# Altium PCB touch-tara-h-3 (final).PcbDoc (part 2 of 8) (continued)
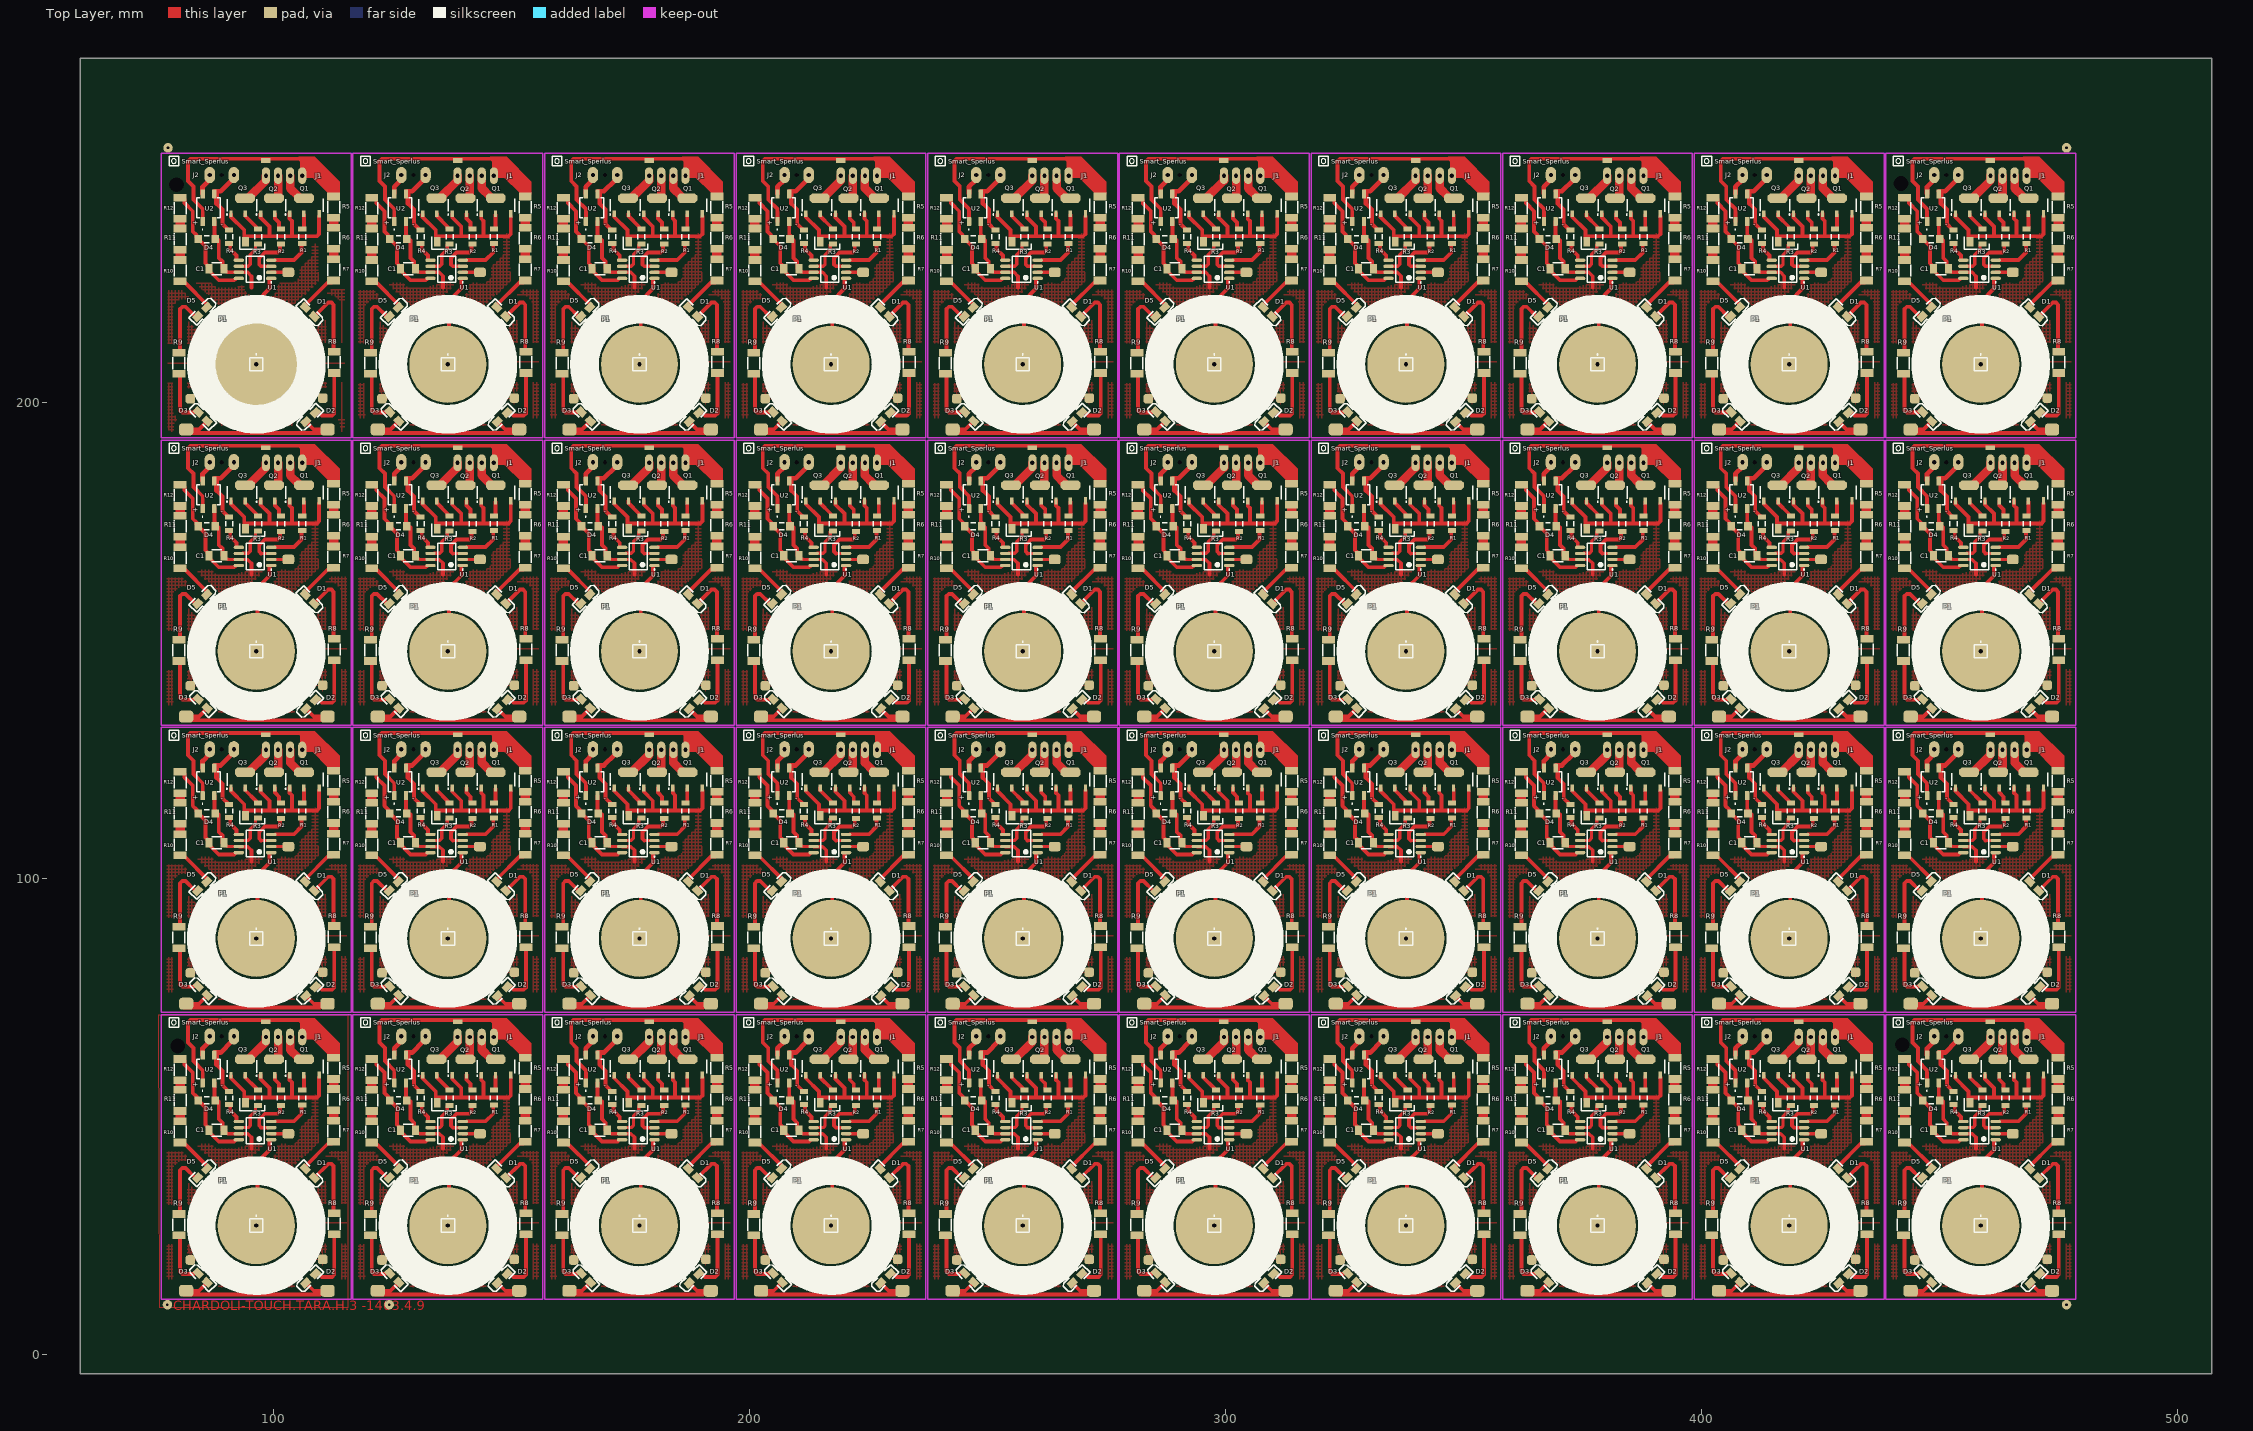
[diagram p0: Top Layer view]
## Footprints (in the part's own frame and the unit in brackets; to place one, negate y for a bottom-side part, rotate by r counter-clockwise, add the part's x,y. Pads: shape width x height; smd on the part's side, far side on the other; paste and mask are expansions set on the pad)
3.2X1.6X1.1#1 [mm] "SMT LED; 2 Flat Leads"
  rect 2x1.5 smd: 1(-1.347,0.09) 2(1.347,0.09)
  silkscreen extent -2.9,-1.15 3.2,1.15
3.2X1.6X1.1#2 [mm] "SMT LED; 2 Flat Leads"
  rect 2x1.5 smd: 1(-1.437,0.18) 2(1.347,0.09)
  silkscreen extent -2.9,-1.15 3.2,1.15
3.2X1.6X1.1#3 [mm] "SMT LED; 2 Flat Leads"
  rect 2x1.5 smd: 1(-1.257,0) 2(1.437,0)
  silkscreen extent -2.9,-1.15 3.2,1.15
3.2X1.6X1.1#4 [mm] "SMT LED; 2 Flat Leads"
  rect 2x1.5 smd: 1(-1.437,0) 2(1.257,0)
  silkscreen extent -2.9,-1.15 3.2,1.15
8S2_N [mm] "SOP, 8-Leads, Body 5.3x5.3mm, Pitch 1.27mm, IPC Medium Density"
  oval 2.2x0.7 smd: 1(-3.4,1.905) 2(-3.4,0.635) 3(-3.4,-0.635) 4(-3.4,-1.905) 5(3.4,-1.905) 6(3.4,-0.635) 7(3.4,0.635) 8(3.4,1.905)
  silkscreen extent -3.52,-2.75 1.9,2.88, body extent -2.73,-2.75 2.73,2.75, height 2.16
C1206 [mm] "Chip Capacitor, Body 3.2x1.6mm, IPC High Density"
  rect 1.5x2 smd: 1(-1.35,0) 2(1.83,0)
  silkscreen extent -0.89,-1.27 1.27,1.27, body extent -1.7,-0.9 1.7,0.9, height 1.3
"CAP 1206" [mm]
  rect 1.6x1.7 smd: 1(-1.778,0) 2(1.778,0)
  silkscreen extent -0.47,-0.75 0.53,0.75, body extent -1.49,-0.77 1.55,0.75, height 0.75
"HEADER 3X1" [mm]
  oval 2.2x3.4 hole 0.9: 1(0,0) 3(5.08,0)
  round 0.5 hole 0.9: 2(2.54,0)
  body extent -1.24,-1.27 6.38,1.27, height 8.38
"HEADER 4X1" [mm]
  oval 1.7x3.5 hole 0.9: 1(0,0) 2(2.54,0) 3(5.08,0) 4(7.62,0)
  body extent -1.19,-1.22 8.97,1.32, height 8.38
PIN1#1 [mm] "Connector; Plug"
  round 16.2 hole 0.9: 1(0,0)
  silkscreen extent -1.4,-1.4 1.4,2.17
PIN1#2 [mm] "Connector; Plug"
  round 21 hole 0.9: 1(0,0)
  silkscreen extent -1.4,-1.4 1.4,2.17
"RES 1206 (3216X08L)"#1 [mm] "Chip Resistor, 2-Leads, Body 3.2x1.6mm, IPC High Density _ (0.125 W)"
  rect 1.05x1.7 smd: 1(-1.44,0) 2(1.651,0)
  silkscreen extent -0.5,-0.75 0.5,0.75, body extent -1.52,-0.76 1.53,0.76, height 0.6
"RES 1206 (3216X08L)"#2 [mm] "Chip Resistor, 2-Leads, Body 3.2x1.6mm, IPC High Density _ (0.125 W)"
  rect 1.05x1.7 smd: 1(-1.567,0) 2(1.651,0)
  silkscreen extent -0.5,-0.75 0.5,0.75, body extent -1.52,-0.76 1.53,0.76, height 0.6
"RES 1206 (3216X08L)"#3 [mm] "Chip Resistor, 2-Leads, Body 3.2x1.6mm, IPC High Density _ (0.125 W)"
  rect 1.05x1.7 smd: 1(-1.524,0) 2(1.651,0)
  silkscreen extent -0.5,-0.75 0.5,0.75, body extent -1.52,-0.76 1.53,0.76, height 0.6
"RES 1206 (3216X08L)"#4 [mm] "Chip Resistor, 2-Leads, Body 3.2x1.6mm, IPC High Density _ (0.125 W)"
  rect 1.05x1.7 smd: 1(-1.397,0) 2(1.397,0)
  silkscreen extent -0.5,-0.75 0.5,0.75, body extent -1.52,-0.76 1.53,0.76, height 0.6
"RES 2010 (5026X08L)" [mm] "Chip Resistor, 2-Leads, Body 5.0x2.6mm, IPC High Density _ (0.250 W)"
  rect 1.6x2.7 smd: 1(-2.225,0) 2(2.225,0)
  silkscreen extent -1.25,-1.25 1.25,1.25, body extent -2.54,-1.27 2.54,1.27, height 0.6
SOIC245P670X270-4N [mm]
  rrect23% 1.91x0.91 smd: 1(-2.9,1.225) 2(-2.9,-1.225) 3(2.9,-1.225) 4(2.9,1.225)
  silkscreen extent -4.68,-2.48 2.1,2.48
SOT89N#1 [mm] "SOT89, 3-Leads, Body 4.5x2.4 mm, Pitch 1.5mm, Lead Span 4.1mm, IPC Medium Density"
  rect 1.4x0.7 smd: 1(-1.8,1.5) 3(-1.8,-1.5)
  oct 2x4.2 smd: 2(1.502,-1.548)
  silkscreen extent -2.07,-5.59 1.4,2.47, body extent -1.3,-2.3 1.3,2.3, height 1.6
SOT89N#2 [mm] "SOT89, 3-Leads, Body 4.5x2.4 mm, Pitch 1.5mm, Lead Span 4.1mm, IPC Medium Density"
  rect 1.4x0.7 smd: 1(-1.8,1.5) 3(-1.8,-1.5)
  oct 2x4.2 smd: 2(1.524,-1.27)
  silkscreen extent -2.07,2.22 1.3,2.47, body extent -1.3,-2.3 1.3,2.3, height 1.6
SOT89N#3 [mm] "SOT89, 3-Leads, Body 4.5x2.4 mm, Pitch 1.5mm, Lead Span 4.1mm, IPC Medium Density"
  rect 1.4x0.7 smd: 1(-1.8,1.5) 3(-1.8,-1.5)
  oct 2x4.2 smd: 2(1.524,-1.397)
  silkscreen extent -2.07,2.22 1.3,2.47, body extent -1.3,-2.3 1.3,2.3, height 1.6

## Part data
C1 C1 C1 C1 C1 C1 C1 C1 C1 C1 C1 C1 C1 C1 C1 C1 C1 C1 C1 C1 C1 C1 C1 C1 C1 C1 C1 C1 C1 C1 C1 C1 C1 C1 C1 C1 C1 C1 C1 C1: library part Capacitor, "Capacitor"
D1 D1 D1 D1 D1 D1 D1 D1 D1 D1 D1 D1 D1 D1 D1 D1 D1 D1 D1 D1 D1 D1 D1 D1 D1 D1 D1 D1 D1 D1 D1 D1 D1 D1 D1 D1 D1 D1 D1 D1 D2 D2 D2 D2 D2 D2 D2 D2 D2 D2 D2 D2 D2 D2 D2 D2 D2 D2 D2 D2 D2 D2 D2 D2 D2 D2 D2 D2 D2 D2 D2 D2 D2 D2 D2 D2 D2 D2 D2 D2 D3 D3 D3 D3 D3 D3 D3 D3 D3 D3 D3 D3 D3 D3 D3 D3 D3 D3 D3 D3 D3 D3 D3 D3 D3 D3 D3 D3 D3 D3 D3 D3 D3 D3 D3 D3 D3 D3 D3 D3 D5 D5 D5 D5 D5 D5 D5 D5 D5 D5 D5 D5 D5 D5 D5 D5 D5 D5 D5 D5 D5 D5 D5 D5 D5 D5 D5 D5 D5 D5 D5 D5 D5 D5 D5 D5 D5 D5 D5 D5: "Typical RED, GREEN, YELLOW, AMBER GaAs LED"
D4 D4 D4 D4 D4 D4 D4 D4 D4 D4 D4 D4 D4 D4 D4 D4 D4 D4 D4 D4 D4 D4 D4 D4 D4 D4 D4 D4 D4 D4 D4 D4 D4 D4 D4 D4 D4 D4 D4 D4: "Default Diode"
Q1 Q1 Q1 Q1 Q1 Q1 Q1 Q1 Q1 Q1 Q1 Q1 Q1 Q1 Q1 Q1 Q1 Q1 Q1 Q1 Q1 Q1 Q1 Q1 Q1 Q1 Q1 Q1 Q1 Q1 Q1 Q1 Q1 Q1 Q1 Q1 Q1 Q1 Q1 Q1 Q2 Q2 Q2 Q2 Q2 Q2 Q2 Q2 Q2 Q2 Q2 Q2 Q2 Q2 Q2 Q2 Q2 Q2 Q2 Q2 Q2 Q2 Q2 Q2 Q2 Q2 Q2 Q2 Q2 Q2 Q2 Q2 Q2 Q2 Q2 Q2 Q2 Q2 Q2 Q2 Q3 Q3 Q3 Q3 Q3 Q3 Q3 Q3 Q3 Q3 Q3 Q3 Q3 Q3 Q3 Q3 Q3 Q3 Q3 Q3 Q3 Q3 Q3 Q3 Q3 Q3 Q3 Q3 Q3 Q3 Q3 Q3 Q3 Q3 Q3 Q3 Q3 Q3 Q3 Q3: "Silicon Bidirectional Triode Thyristor"
R1 R1 R1 R1 R1 R1 R1 R1 R1 R1 R1 R1 R1 R1 R1 R1 R1 R1 R1 R1 R1 R1 R1 R1 R1 R1 R1 R1 R1 R1 R1 R1 R1 R1 R1 R1 R1 R1 R1 R1 R2 R2 R2 R2 R2 R2 R2 R2 R2 R2 R2 R2 R2 R2 R2 R2 R2 R2 R2 R2 R2 R2 R2 R2 R2 R2 R2 R2 R2 R2 R2 R2 R2 R2 R2 R2 R2 R2 R2 R2 R3 R3 R3 R3 R3 R3 R3 R3 R3 R3 R3 R3 R3 R3 R3 R3 R3 R3 R3 R3 R3 R3 R3 R3 R3 R3 R3 R3 R3 R3 R3 R3 R3 R3 R3 R3 R3 R3 R3 R3 R4 R4 R4 R4 R4 R4 R4 R4 R4 R4 R4 R4 R4 R4 R4 R4 R4 R4 R4 R4 R4 R4 R4 R4 R4 R4 R4 R4 R4 R4 R4 R4 R4 R4 R4 R4 R4 R4 R4 R4 R5 R5 R5 R5 R5 R5 R5 R5 R5 R5 R5 R5 R5 R5 R5 R5 R5 R5 R5 R5 R5 R5 R5 R5 R5 R5 R5 R5 R5 R5 R5 R5 R5 R5 R5 R5 R5 R5 R5 R5 R6 R6 R6 R6 R6 R6 R6 R6 R6 R6 R6 R6 R6 R6 R6 R6 R6 R6 R6 R6 R6 R6 R6 R6 R6 R6 R6 R6 R6 R6 R6 R6 R6 R6 R6 R6 R6 R6 R6 R6 R7 R7 R7 R7 R7 R7 R7 R7 R7 R7 R7 R7 R7 R7 R7 R7 R7 R7 R7 R7 R7 R7 R7 R7 R7 R7 R7 R7 R7 R7 R7 R7 R7 R7 R7 R7 R7 R7 R7 R7 R8 R8 R8 R8 R8 R8 R8 R8 R8 R8 R8 R8 R8 R8 R8 R8 R8 R8 R8 R8 R8 R8 R8 R8 R8 R8 R8 R8 R8 R8 R8 R8 R8 R8 R8 R8 R8 R8 R8 R8 R9 R9 R9 R9 R9 R9 R9 R9 R9 R9 R9 R9 R9 R9 R9 R9 R9 R9 R9 R9 R9 R9 R9 R9 R9 R9 R9 R9 R9 R9 R9 R9 R9 R9 R9 R9 R9 R9 R9 R9 R10 R10 R10 R10 R10 R10 R10 R10 R10 R10 R10 R10 R10 R10 R10 R10 R10 R10 R10 R10 R10 R10 R10 R10 R10 R10 R10 R10 R10 R10 R10 R10 R10 R10 R10 R10 R10 R10 R10 R10 R11 R11 R11 R11 R11 R11 R11 R11 R11 R11 R11 R11 R11 R11 R11 R11 R11 R11 R11 R11 R11 R11 R11 R11 R11 R11 R11 R11 R11 R11 R11 R11 R11 R11 R11 R11 R11 R11 R11 R11 R12 R12 R12 R12 R12 R12 R12 R12 R12 R12 R12 R12 R12 R12 R12 R12 R12 R12 R12 R12 R12 R12 R12 R12 R12 R12 R12 R12 R12 R12 R12 R12 R12 R12 R12 R12 R12 R12 R12 R12: library part Resistor, "Resistor"
U1 U1 U1 U1 U1 U1 U1 U1 U1 U1 U1 U1 U1 U1 U1 U1 U1 U1 U1 U1 U1 U1 U1 U1 U1 U1 U1 U1 U1 U1 U1 U1 U1 U1 U1 U1 U1 U1 U1 U1: "8-Bit AVR Microcontroller with 1K Byte of Flash Memory"
U2 U2 U2 U2 U2 U2 U2 U2 U2 U2 U2 U2 U2 U2 U2 U2 U2 U2 U2 U2 U2 U2 U2 U2 U2 U2 U2 U2 U2 U2 U2 U2 U2 U2 U2 U2 U2 U2 U2 U2: "Bridge Rectifier Single Phase Standard 600V Surface Mount 4-SOIC"

## Free pads (board coordinates)
  round 2 hole 0.55: 0(77.724,10.414) 1(124.333,10.414) 2(77.851,253.492) 3(476.758,253.492) 4(476.758,10.414)
  round 2.7 hole 3.1: 0(79.629,245.745) 0(79.883,64.77) 0(441.96,245.999) 0(442.214,65.024)
  round 0.5 on Bottom Paste: 0(86.614,66.802) 0(86.614,127.127) 0(86.614,187.452) 0(86.614,247.777) 0(126.873,66.802) 0(126.873,127.127) 0(126.873,187.452) 0(126.873,247.777) 0(167.132,66.802) 0(167.132,127.127) 0(167.132,187.452) 0(167.132,247.777) 0(207.391,66.802) 0(207.391,127.127) 0(207.391,187.452) 0(207.391,247.777) 0(247.65,66.802) 0(247.65,127.127) 0(247.65,187.452) 0(247.65,247.777) 0(287.909,66.802) 0(287.909,127.127) 0(287.909,187.452) 0(287.909,247.777) 0(328.168,66.802) 0(328.168,127.127) 0(328.168,187.452) 0(328.168,247.777) 0(368.427,66.802) 0(368.427,127.127) 0(368.427,187.452) 0(368.427,247.777) 0(408.686,66.802) 0(408.686,127.127) 0(408.686,187.452) 0(408.686,247.777) 0(448.945,66.802) 0(448.945,127.127) 0(448.945,187.452) 0(448.945,247.777) 1(91.694,66.802) 1(91.694,127.127) 1(91.694,187.452) 1(91.694,247.777) 1(131.953,66.802) 1(131.953,127.127) 1(131.953,187.452) 1(131.953,247.777) 1(172.212,66.802) 1(172.212,127.127) 1(172.212,187.452) 1(172.212,247.777) 1(212.471,66.802) 1(212.471,127.127) 1(212.471,187.452) 1(212.471,247.777) 1(252.73,66.802) 1(252.73,127.127) 1(252.73,187.452) 1(252.73,247.777) 1(292.989,66.802) 1(292.989,127.127) 1(292.989,187.452) 1(292.989,247.777) 1(333.248,66.802) 1(333.248,127.127) 1(333.248,187.452) 1(333.248,247.777) 1(373.507,66.802) 1(373.507,127.127) 1(373.507,187.452) 1(373.507,247.777) 1(413.766,66.802) 1(413.766,127.127) 1(413.766,187.452) 1(413.766,247.777) 1(454.025,66.802) 1(454.025,127.127) 1(454.025,187.452) 1(454.025,247.777) 2(89.154,66.802) 2(89.154,127.127) 2(89.154,187.452) 2(89.154,247.777) 2(129.413,66.802) 2(129.413,127.127) 2(129.413,187.452) 2(129.413,247.777) 2(169.672,66.802) 2(169.672,127.127) 2(169.672,187.452) 2(169.672,247.777) 2(209.931,66.802) 2(209.931,127.127) 2(209.931,187.452) 2(209.931,247.777) 2(250.19,66.802) 2(250.19,127.127) 2(250.19,187.452) 2(250.19,247.777) 2(290.449,66.802) 2(290.449,127.127) 2(290.449,187.452) 2(290.449,247.777) 2(330.708,66.802) 2(330.708,127.127) 2(330.708,187.452) 2(330.708,247.777) 2(370.967,66.802) 2(370.967,127.127) 2(370.967,187.452) 2(370.967,247.777) 2(411.226,66.802) 2(411.226,127.127) 2(411.226,187.452) 2(411.226,247.777) 2(451.485,66.802) 2(451.485,127.127) 2(451.485,187.452) 2(451.485,247.777) 3(98.425,66.675) 3(98.425,127) 3(98.425,187.325) 3(98.425,247.65) 3(138.684,66.675) 3(138.684,127) 3(138.684,187.325) 3(138.684,247.65) 3(178.943,66.675) 3(178.943,127) 3(178.943,187.325) 3(178.943,247.65) 3(219.202,66.675) 3(219.202,127) 3(219.202,187.325) 3(219.202,247.65) 3(259.461,66.675) 3(259.461,127) 3(259.461,187.325) 3(259.461,247.65) 3(299.72,66.675) 3(299.72,127) 3(299.72,187.325) 3(299.72,247.65) 3(339.979,66.675) 3(339.979,127) 3(339.979,187.325) 3(339.979,247.65) 3(380.238,66.675) 3(380.238,127) 3(380.238,187.325) 3(380.238,247.65) 3(420.497,66.675) 3(420.497,127) 3(420.497,187.325) 3(420.497,247.65) 3(460.756,66.675) 3(460.756,127) 3(460.756,187.325) 3(460.756,247.65) 4(100.965,66.675) 4(100.965,127) 4(100.965,187.325) 4(100.965,247.65) 4(141.224,66.675) 4(141.224,127) 4(141.224,187.325) 4(141.224,247.65) 4(181.483,66.675) 4(181.483,127) 4(181.483,187.325) 4(181.483,247.65) 4(221.742,66.675) 4(221.742,127) 4(221.742,187.325) 4(221.742,247.65) 4(262.001,66.675) 4(262.001,127) 4(262.001,187.325) 4(262.001,247.65) 4(302.26,66.675) 4(302.26,127) 4(302.26,187.325) 4(302.26,247.65) 4(342.519,66.675) 4(342.519,127) 4(342.519,187.325) 4(342.519,247.65) 4(382.778,66.675) 4(382.778,127) 4(382.778,187.325) 4(382.778,247.65) 4(423.037,66.675) 4(423.037,127) 4(423.037,187.325) 4(423.037,247.65) 4(463.296,66.675) 4(463.296,127) 4(463.296,187.325) 4(463.296,247.65) 5(103.505,66.675) 5(103.505,127) 5(103.505,187.325) 5(103.505,247.65) 5(143.764,66.675) 5(143.764,127) 5(143.764,187.325) 5(143.764,247.65) 5(184.023,66.675) 5(184.023,127) 5(184.023,187.325) 5(184.023,247.65) 5(224.282,66.675) 5(224.282,127) 5(224.282,187.325) 5(224.282,247.65) 5(264.541,66.675) 5(264.541,127) 5(264.541,187.325) 5(264.541,247.65) 5(304.8,66.675) 5(304.8,127) 5(304.8,187.325) 5(304.8,247.65) 5(345.059,66.675) 5(345.059,127) 5(345.059,187.325) 5(345.059,247.65) 5(385.318,66.675) 5(385.318,127) 5(385.318,187.325) 5(385.318,247.65) 5(425.577,66.675) 5(425.577,127) 5(425.577,187.325) 5(425.577,247.65) 5(465.836,66.675) 5(465.836,127) 5(465.836,187.325) 5(465.836,247.65) 6(106.045,66.675) 6(106.045,127) 6(106.045,187.325) 6(106.045,247.65) 6(146.304,66.675) 6(146.304,127) 6(146.304,187.325) 6(146.304,247.65) 6(186.563,66.675) 6(186.563,127) 6(186.563,187.325) 6(186.563,247.65) 6(226.822,66.675) 6(226.822,127) 6(226.822,187.325) 6(226.822,247.65) 6(267.081,66.675) 6(267.081,127) 6(267.081,187.325) 6(267.081,247.65) 6(307.34,66.675) 6(307.34,127) 6(307.34,187.325) 6(307.34,247.65) 6(347.599,66.675) 6(347.599,127) 6(347.599,187.325) 6(347.599,247.65) 6(387.858,66.675) 6(387.858,127) 6(387.858,187.325) 6(387.858,247.65) 6(428.117,66.675) 6(428.117,127) 6(428.117,187.325) 6(428.117,247.65) 6(468.376,66.675) 6(468.376,127) 6(468.376,187.325) 6(468.376,247.65) 7(96.393,27.051) 7(96.393,87.376) 7(96.393,147.701) 7(96.393,208.026) 7(136.652,27.051) 7(136.652,87.376) 7(136.652,147.701) 7(136.652,208.026) 7(176.911,27.051) 7(176.911,87.376) 7(176.911,147.701) 7(176.911,208.026) 7(217.17,27.051) 7(217.17,87.376) 7(217.17,147.701) 7(217.17,208.026) 7(257.429,27.051) 7(257.429,87.376) 7(257.429,147.701) 7(257.429,208.026) 7(297.688,27.051) 7(297.688,87.376) 7(297.688,147.701) 7(297.688,208.026) 7(337.947,27.051) 7(337.947,87.376) 7(337.947,147.701) 7(337.947,208.026) 7(378.206,27.051) 7(378.206,87.376) 7(378.206,147.701) 7(378.206,208.026) 7(418.465,27.051) 7(418.465,87.376) 7(418.465,147.701) 7(418.465,208.026) 7(458.724,27.051) 7(458.724,87.376) 7(458.724,147.701) 7(458.724,208.026)
  oval 0.5x0.55 on Bottom Paste: 5(476.758,10.414) 6(476.758,253.492) 7(77.851,253.492) 8(77.724,10.414) 9(124.333,10.414)
  rect 1.4x2 all layers, no hole: 156(94.14,52.832) 156(94.14,113.157) 156(94.14,173.482) 156(94.14,233.807) 156(134.399,52.832) 156(134.399,113.157) 156(134.399,173.482) 156(134.399,233.807) 156(174.658,52.832) 156(174.658,113.157) 156(174.658,173.482) 156(174.658,233.807) 156(214.917,52.832) 156(214.917,113.157) 156(214.917,173.482) 156(214.917,233.807) 156(255.176,52.832) 156(255.176,113.157) 156(255.176,173.482) 156(255.176,233.807) 156(295.435,52.832) 156(295.435,113.157) 156(295.435,173.482) 156(295.435,233.807) 156(335.694,52.832) 156(335.694,113.157) 156(335.694,173.482) 156(335.694,233.807) 156(375.953,52.832) 156(375.953,113.157) 156(375.953,173.482) 156(375.953,233.807) 156(416.212,52.832) 156(416.212,113.157) 156(416.212,173.482) 156(416.212,233.807) 156(456.471,52.832) 156(456.471,113.157) 156(456.471,173.482) 156(456.471,233.807)
  rrect50% 2.5x2 all layers, no hole: 157(103.124,46.355) 157(103.124,106.68) 157(103.124,167.005) 157(103.124,227.33) 157(143.383,46.355) 157(143.383,106.68) 157(143.383,167.005) 157(143.383,227.33) 157(183.642,46.355) 157(183.642,106.68) 157(183.642,167.005) 157(183.642,227.33) 157(223.901,46.355) 157(223.901,106.68) 157(223.901,167.005) 157(223.901,227.33) 157(264.16,46.355) 157(264.16,106.68) 157(264.16,167.005) 157(264.16,227.33) 157(304.419,46.355) 157(304.419,106.68) 157(304.419,167.005) 157(304.419,227.33) 157(344.678,46.355) 157(344.678,106.68) 157(344.678,167.005) 157(344.678,227.33) 157(384.937,46.355) 157(384.937,106.68) 157(384.937,167.005) 157(384.937,227.33) 157(425.196,46.355) 157(425.196,106.68) 157(425.196,167.005) 157(425.196,227.33) 157(465.455,46.355) 157(465.455,106.68) 157(465.455,167.005) 157(465.455,227.33)
  rrect50% 3x2.5 all layers, no hole: 158(81.668,13.342) 158(81.668,73.667) 158(81.668,133.992) 158(81.668,194.317) 158(121.927,13.342) 158(121.927,73.667) 158(121.927,133.992) 158(121.927,194.317) 158(162.186,13.342) 158(162.186,73.667) 158(162.186,133.992) 158(162.186,194.317) 158(202.445,13.342) 158(202.445,73.667) 158(202.445,133.992) 158(202.445,194.317) 158(242.704,13.342) 158(242.704,73.667) 158(242.704,133.992) 158(242.704,194.317) 158(282.963,13.342) 158(282.963,73.667) 158(282.963,133.992) 158(282.963,194.317) 158(323.222,13.342) 158(323.222,73.667) 158(323.222,133.992) 158(323.222,194.317) 158(363.481,13.342) 158(363.481,73.667) 158(363.481,133.992) 158(363.481,194.317) 158(403.74,13.342) 158(403.74,73.667) 158(403.74,133.992) 158(403.74,194.317) 158(443.999,13.342) 158(443.999,73.667) 158(443.999,133.992) 158(443.999,194.317) 159(111.379,13.335) 159(111.379,73.66) 159(111.379,133.985) 159(111.379,194.31) 159(151.638,13.335) 159(151.638,73.66) 159(151.638,133.985) 159(151.638,194.31) 159(191.897,13.335) 159(191.897,73.66) 159(191.897,133.985) 159(191.897,194.31) 159(232.156,13.335) 159(232.156,73.66) 159(232.156,133.985) 159(232.156,194.31) 159(272.415,13.335) 159(272.415,73.66) 159(272.415,133.985) 159(272.415,194.31) 159(312.674,13.335) 159(312.674,73.66) 159(312.674,133.985) 159(312.674,194.31) 159(352.933,13.335) 159(352.933,73.66) 159(352.933,133.985) 159(352.933,194.31) 159(393.192,13.335) 159(393.192,73.66) 159(393.192,133.985) 159(393.192,194.31) 159(433.451,13.335) 159(433.451,73.66) 159(433.451,133.985) 159(433.451,194.31) 159(473.71,13.335) 159(473.71,73.66) 159(473.71,133.985) 159(473.71,194.31)
  rect 2x1 all layers, no hole: 160(98.425,69.85) 160(98.425,130.175) 160(98.425,190.5) 160(98.425,250.825) 160(138.684,69.85) 160(138.684,130.175) 160(138.684,190.5) 160(138.684,250.825) 160(178.943,69.85) 160(178.943,130.175) 160(178.943,190.5) 160(178.943,250.825) 160(219.202,69.85) 160(219.202,130.175) 160(219.202,190.5) 160(219.202,250.825) 160(259.461,69.85) 160(259.461,130.175) 160(259.461,190.5) 160(259.461,250.825) 160(299.72,69.85) 160(299.72,130.175) 160(299.72,190.5) 160(299.72,250.825) 160(339.979,69.85) 160(339.979,130.175) 160(339.979,190.5) 160(339.979,250.825) 160(380.238,69.85) 160(380.238,130.175) 160(380.238,190.5) 160(380.238,250.825) 160(420.497,69.85) 160(420.497,130.175) 160(420.497,190.5) 160(420.497,250.825) 160(460.756,69.85) 160(460.756,130.175) 160(460.756,190.5) 160(460.756,250.825)
  rrect50% 2x2 all layers, no hole: 161(110.363,19.939) 161(110.363,80.264) 161(110.363,140.589) 161(110.363,200.914) 161(150.622,19.939) 161(150.622,80.264) 161(150.622,140.589) 161(150.622,200.914) 161(190.881,19.939) 161(190.881,80.264) 161(190.881,140.589) 161(190.881,200.914) 161(231.14,19.939) 161(231.14,80.264) 161(231.14,140.589) 161(231.14,200.914) 161(271.399,19.939) 161(271.399,80.264) 161(271.399,140.589) 161(271.399,200.914) 161(311.658,19.939) 161(311.658,80.264) 161(311.658,140.589) 161(311.658,200.914) 161(351.917,19.939) 161(351.917,80.264) 161(351.917,140.589) 161(351.917,200.914) 161(392.176,19.939) 161(392.176,80.264) 161(392.176,140.589) 161(392.176,200.914) 161(432.435,19.939) 161(432.435,80.264) 161(432.435,140.589) 161(432.435,200.914) 161(472.694,19.939) 161(472.694,80.264) 161(472.694,140.589) 161(472.694,200.914) 162(82.55,19.812) 162(82.55,80.137) 162(82.55,140.462) 162(82.55,200.787) 162(122.809,19.812) 162(122.809,80.137) 162(122.809,140.462) 162(122.809,200.787) 162(163.068,19.812) 162(163.068,80.137) 162(163.068,140.462) 162(163.068,200.787) 162(203.327,19.812) 162(203.327,80.137) 162(203.327,140.462) 162(203.327,200.787) 162(243.586,19.812) 162(243.586,80.137) 162(243.586,140.462) 162(243.586,200.787) 162(283.845,19.812) 162(283.845,80.137) 162(283.845,140.462) 162(283.845,200.787) 162(324.104,19.812) 162(324.104,80.137) 162(324.104,140.462) 162(324.104,200.787) 162(364.363,19.812) 162(364.363,80.137) 162(364.363,140.462) 162(364.363,200.787) 162(404.622,19.812) 162(404.622,80.137) 162(404.622,140.462) 162(404.622,200.787) 162(444.881,19.812) 162(444.881,80.137) 162(444.881,140.462) 162(444.881,200.787)
  rect 0.7x1.524 all layers, no hole: 163(109.601,58.674) 163(109.601,118.999) 163(109.601,179.324) 163(109.601,239.649) 163(149.86,58.674) 163(149.86,118.999) 163(149.86,179.324) 163(149.86,239.649) 163(190.119,58.674) 163(190.119,118.999) 163(190.119,179.324) 163(190.119,239.649) 163(230.378,58.674) 163(230.378,118.999) 163(230.378,179.324) 163(230.378,239.649) 163(270.637,58.674) 163(270.637,118.999) 163(270.637,179.324) 163(270.637,239.649) 163(310.896,58.674) 163(310.896,118.999) 163(310.896,179.324) 163(310.896,239.649) 163(351.155,58.674) 163(351.155,118.999) 163(351.155,179.324) 163(351.155,239.649) 163(391.414,58.674) 163(391.414,118.999) 163(391.414,179.324) 163(391.414,239.649) 163(431.673,58.674) 163(431.673,118.999) 163(431.673,179.324) 163(431.673,239.649) 163(471.932,58.674) 163(471.932,118.999) 163(471.932,179.324) 163(471.932,239.649)

## Nets (pads, with @x,y where several pads share a name; then routed paths per layer and width w, separated by ;. In a path a pad name is that pad's centre, name@x,y a point inside that pad or via, vN(x,y) a via of type N, cw(c..) or ccw(c..) an arc to the next point about the centre after c; other vN are vias at no path point)
GND: C1.2@87.757,53.34 D4.1@89.615,47.117 pad.156@94.14,52.832 pad.161@110.363,19.939 pad.162@82.55,19.812 pad.163@109.601,58.674 Q1.1@103.402,58.652 Q2.1@97.306,58.652 Q3.1@91.083,58.652 U1.7@92.739,46.355 U2.2@87.585,57.044 | length 56.8
  Top Layer w0.7: D4.1@89.615,47.117 89.615,46.867 90.015,46.467 90.313,46.467 90.425,46.355 U1.7@92.739,46.355 92.749,46.345 94.588,46.345 95.377,45.556
  Top Layer w0.8: U2.2@87.585,57.044 87.585,54.259 87.738,54.106 87.738,53.79 88.188,53.34 88.265,53.34 88.519,53.086 88.519,49.403 89.265,48.657 D4.1@89.265,47.117 ; Q3.1@91.083,58.525 91.083,58.015 93.853,55.245 93.853,53.933 ; pad.156@94.234,52.832 94.207,52.875 93.853,53.432 93.853,53.933 ; 95.377,43.18 95.377,45.556 ; Q2.1@97.306,58.652 97.306,57.865 99.187,55.984 99.187,53.933 ; Q1.1@103.402,58.779 103.402,57.634 103.886,57.15 103.886,53.933 ; pad.163@109.601,58.164 109.601,54.402 109.132,53.933 103.886,53.933 ; 93.853,53.933 99.187,53.933 ; 99.187,53.933 103.886,53.933
NetD1_1: D1.1@106.68,38.989 R7.2@112.649,44.638 | length 8.6
  Top Layer w0.8: D1.1@106.68,38.989 106.673,38.996 106.673,39.49 111.421,44.238 112.249,44.238 R7.2@112.649,44.638
NetD1_2: D1.2@108.585,37.084 R8.1@112.776,29.657 | length 15.7
  Top Layer w0.8: D1.2@108.585,37.084 111.518,40.017 112.18,40.017 112.649,39.548 R8.1@112.649,29.53 ; R8.1@112.776,29.53 R8.1@112.903,29.403
NetD2_1: D2.1@108.839,16.891 R8.2@112.776,25.207 | length 12.7
  Top Layer w0.8: D2.1@108.839,16.891 108.927,16.979 109.422,16.979 110.145,16.256 112.307,16.256 112.776,16.725 R8.2@112.776,24.953
NetD2_2: D2.2@106.807,14.986 D3.1@86.106,15.113 pad.158@81.668,13.342 pad.159@111.379,13.335 | length 41.9
  Top Layer w0.8: D3.1@86.106,15.113 84.335,13.342 pad.158@81.668,13.342 81.28,12.954 81.28,12.641 81.209,12.57 109.81,12.57 109.865,12.624 110.668,12.624 pad.159@111.379,13.335 108.458,13.335 D2.2@106.807,14.986
NetD3_2: D3.2@84.201,17.018 R9.1@80.137,25.019 | length 12
  Top Layer w0.8: R9.1@80.137,25.019 80.391,24.765 80.391,17.36 80.86,16.891 83.225,16.891 83.529,17.195 84.024,17.195 D3.2@84.201,17.018
NetD5_1: D5.1@84.074,37.084 R9.2@80.137,29.469 | length 13.8
  Top Layer w0.8: R9.2@80.391,29.578 80.391,38.659 80.86,39.128 81.522,39.128 83.573,37.077 84.067,37.077 D5.1@84.074,37.084
NetD5_2: D5.2@85.979,38.989 R10.1@80.391,44.511 | length 8.1
  Top Layer w0.8: R10.1@80.796,44.807 80.796,44.656 81.341,44.111 81.492,44.111 86.049,39.554 86.049,39.059 D5.2@85.979,38.989
NetJ1_2: J1.2@103.505,66.675 Q1.2@106.45,61.954 | length 6.6
  Top Layer w1.8: J1.2@103.505,66.675 103.505,64.008 105.25,62.263 105.25,62.054 105.35,61.954 Q1.2@106.45,61.954
NetJ1_3: J1.3@100.965,66.675 Q2.2@100.076,61.976 | length 4.6
  Top Layer w1.8: Q2.2@100.965,62.076 J1.3@100.965,66.675
NetJ1_4: J1.4@98.425,66.675 Q3.2@93.98,61.976 | length 6.4
  Top Layer w1.8: Q3.2@94.678,61.912 98.425,65.659 J1.4@98.425,66.675 ; Q3.2@94.733,62.01 Q3.2@94.799,62.076
NetJ2_1: J2.1@86.614,66.802 U2.4@85.135,62.844 | length 4.6
  Top Layer w0.8: U2.4@85.108,62.871 U2.4@85.135,62.844 ; J2.1@86.614,65.823 J2.1@86.614,66.802
  Top Layer w1: U2.4@85.108,62.871 85.108,64.317 J2.1@86.614,65.823
NetJ2_3: J2.3@91.694,66.802 R4.1@90.678,55.245 U2.3@87.585,62.844 | length 15.4
  Top Layer w0.8: U2.3@87.64,62.844 U2.3@87.64,63.399 ; 88.021,60.823 89.281,59.563 89.281,56.515 90.426,55.37 90.482,55.37 R4.1@90.482,55.314 ; J2.3@91.254,65.727 91.254,67.124 J2.3@91.454,67.324
  Top Layer w1: U2.3@87.64,63.399 88.926,63.399 J2.3@91.254,65.727 ; 88.021,60.823 U2.3@88.021,62.844
NetP1_1: P1.1@96.393,27.051 U1.1@99.539,45.085 | length 18
  Top Layer w0.8: P1.1@96.647,28.067 96.647,40.386 99.203,42.942 U1.1@99.203,44.985
NetQ1_3: Q1.3@106.402,58.652 R1.2@106.045,55.499 | length 3.2
  Top Layer w0.8: R1.2@106.045,55.499 106.301,55.499 106.426,55.624 Q1.3@106.426,58.436
NetQ2_3: Q2.3@100.306,58.652 R2.2@101.6,55.499 | length 3.9
  Top Layer w0.8: Q2.3@100.306,58.652 100.306,57.682 101.15,56.838 101.15,55.624 101.275,55.499 R2.2@101.6,55.499
NetQ3_3: Q3.3@94.083,58.652 R3.2@96.774,55.499 | length 4.5
  Top Layer w0.8: Q3.3@94.083,58.652 94.083,58.19 96.324,55.949 96.324,55.624 96.449,55.499 R3.2@96.774,55.499
NetR4_2: R5.2@112.649,57.846 R6.1@112.649,55.753 | length 1.1
  Top Layer w2: R6.1@112.649,56.261 R5.2@112.649,57.404
NetR5_2: R6.2@112.649,51.303 R7.1@112.649,49.088 | length 1.3
  Top Layer w2: R7.1@112.649,49.53 R6.2@112.649,50.8
NetR7_2: R10.2@80.391,48.961 R11.1@80.391,51.115 | length 1.1
  Top Layer w2: R10.2@80.391,49.53 R11.1@80.391,50.673
NetR8_2: R11.2@80.391,55.565 R12.1@80.391,57.592 | length 1.1
  Top Layer w2: R11.2@80.391,56.007 R12.1@80.391,57.15
o1: pad.157@103.124,46.355 U1.2@99.539,46.355 | length 3.1
  Top Layer w0.7: U1.2@99.539,46.355 pad.157@102.616,46.355
o2: R1.1@106.045,52.408 U1.4@99.539,48.895 | length 8
  Top Layer w0.8: U1.4@100.391,48.956 104.328,48.956 105.918,50.546 R1.1@105.918,52.408
o3: R2.1@101.6,52.281 U1.3@99.539,47.625 | length 9.6
  Top Layer w0.7: 97.409,47.625 U1.3@98.789,47.625
  Top Layer w0.8: 97.409,47.625 97.028,48.006 97.028,49.403 98.171,50.546 100.877,50.546 101.346,51.015 R2.1@101.346,52.281
o4: R3.1@96.774,52.324 U1.6@92.739,47.625 | length 6.6
  Top Layer w0.7: U1.6@93.489,47.645 94.713,47.645 95.123,48.055 95.123,50.038 96.244,51.159 96.244,52.175 R3.1@96.393,52.324
o5: R4.2@90.678,52.451 U1.5@92.739,48.895 | length 4
  Top Layer w0.8: R4.2@90.932,52.451 90.918,52.437 90.918,51.195 92.247,49.866 U1.5@92.247,48.995
vcc: C1.1@84.201,53.34 D4.2@86.435,47.117 R12.2@80.391,62.042 U1.8@92.739,45.085 | length 24
  Top Layer w0.8: R12.2@81.001,61.982 81.341,61.642 81.341,60.899 83.058,59.182 83.058,54.914 83.801,54.171 83.801,53.79 C1.1@84.182,53.79 ; C1.1@84.201,53.34 84.201,53.29 84.601,52.89 84.671,52.89 85.725,51.836 85.725,48.277 86.085,47.917 86.085,47.717 86.525,47.277 86.725,47.277 86.725,46.498 88.519,44.704 91.758,44.704 U1.8@92.039,44.985
VDD: J1.1@106.045,66.675 pad.160@98.425,69.85 R5.1@112.649,62.296 U2.1@85.135,57.044 | length 50.2
  Top Layer w0.8: U2.1@85.135,57.044 85.135,59.645 83.185,61.595 83.185,64.389 82.042,65.532 82.042,69.762 82.511,70.231 98.425,70.231 106.807,70.231 109.283,67.754
  Top Layer w2: 106.934,67.183 108.712,67.183 R5.1@112.903,62.992